# Altium PCB DriverPCB.PcbDoc (part 1 of 2)
Units mm, origin at the board's own origin, x right, y up, seen from the top; angles counter-clockwise.
Board outline 63 x 108 mm, 4 copper layers (Top Layer, Layer 2, Layer 3, Bottom Layer), stack 1.369 mm thick; 182 components, 114 nets, 540 pads, 159 vias.
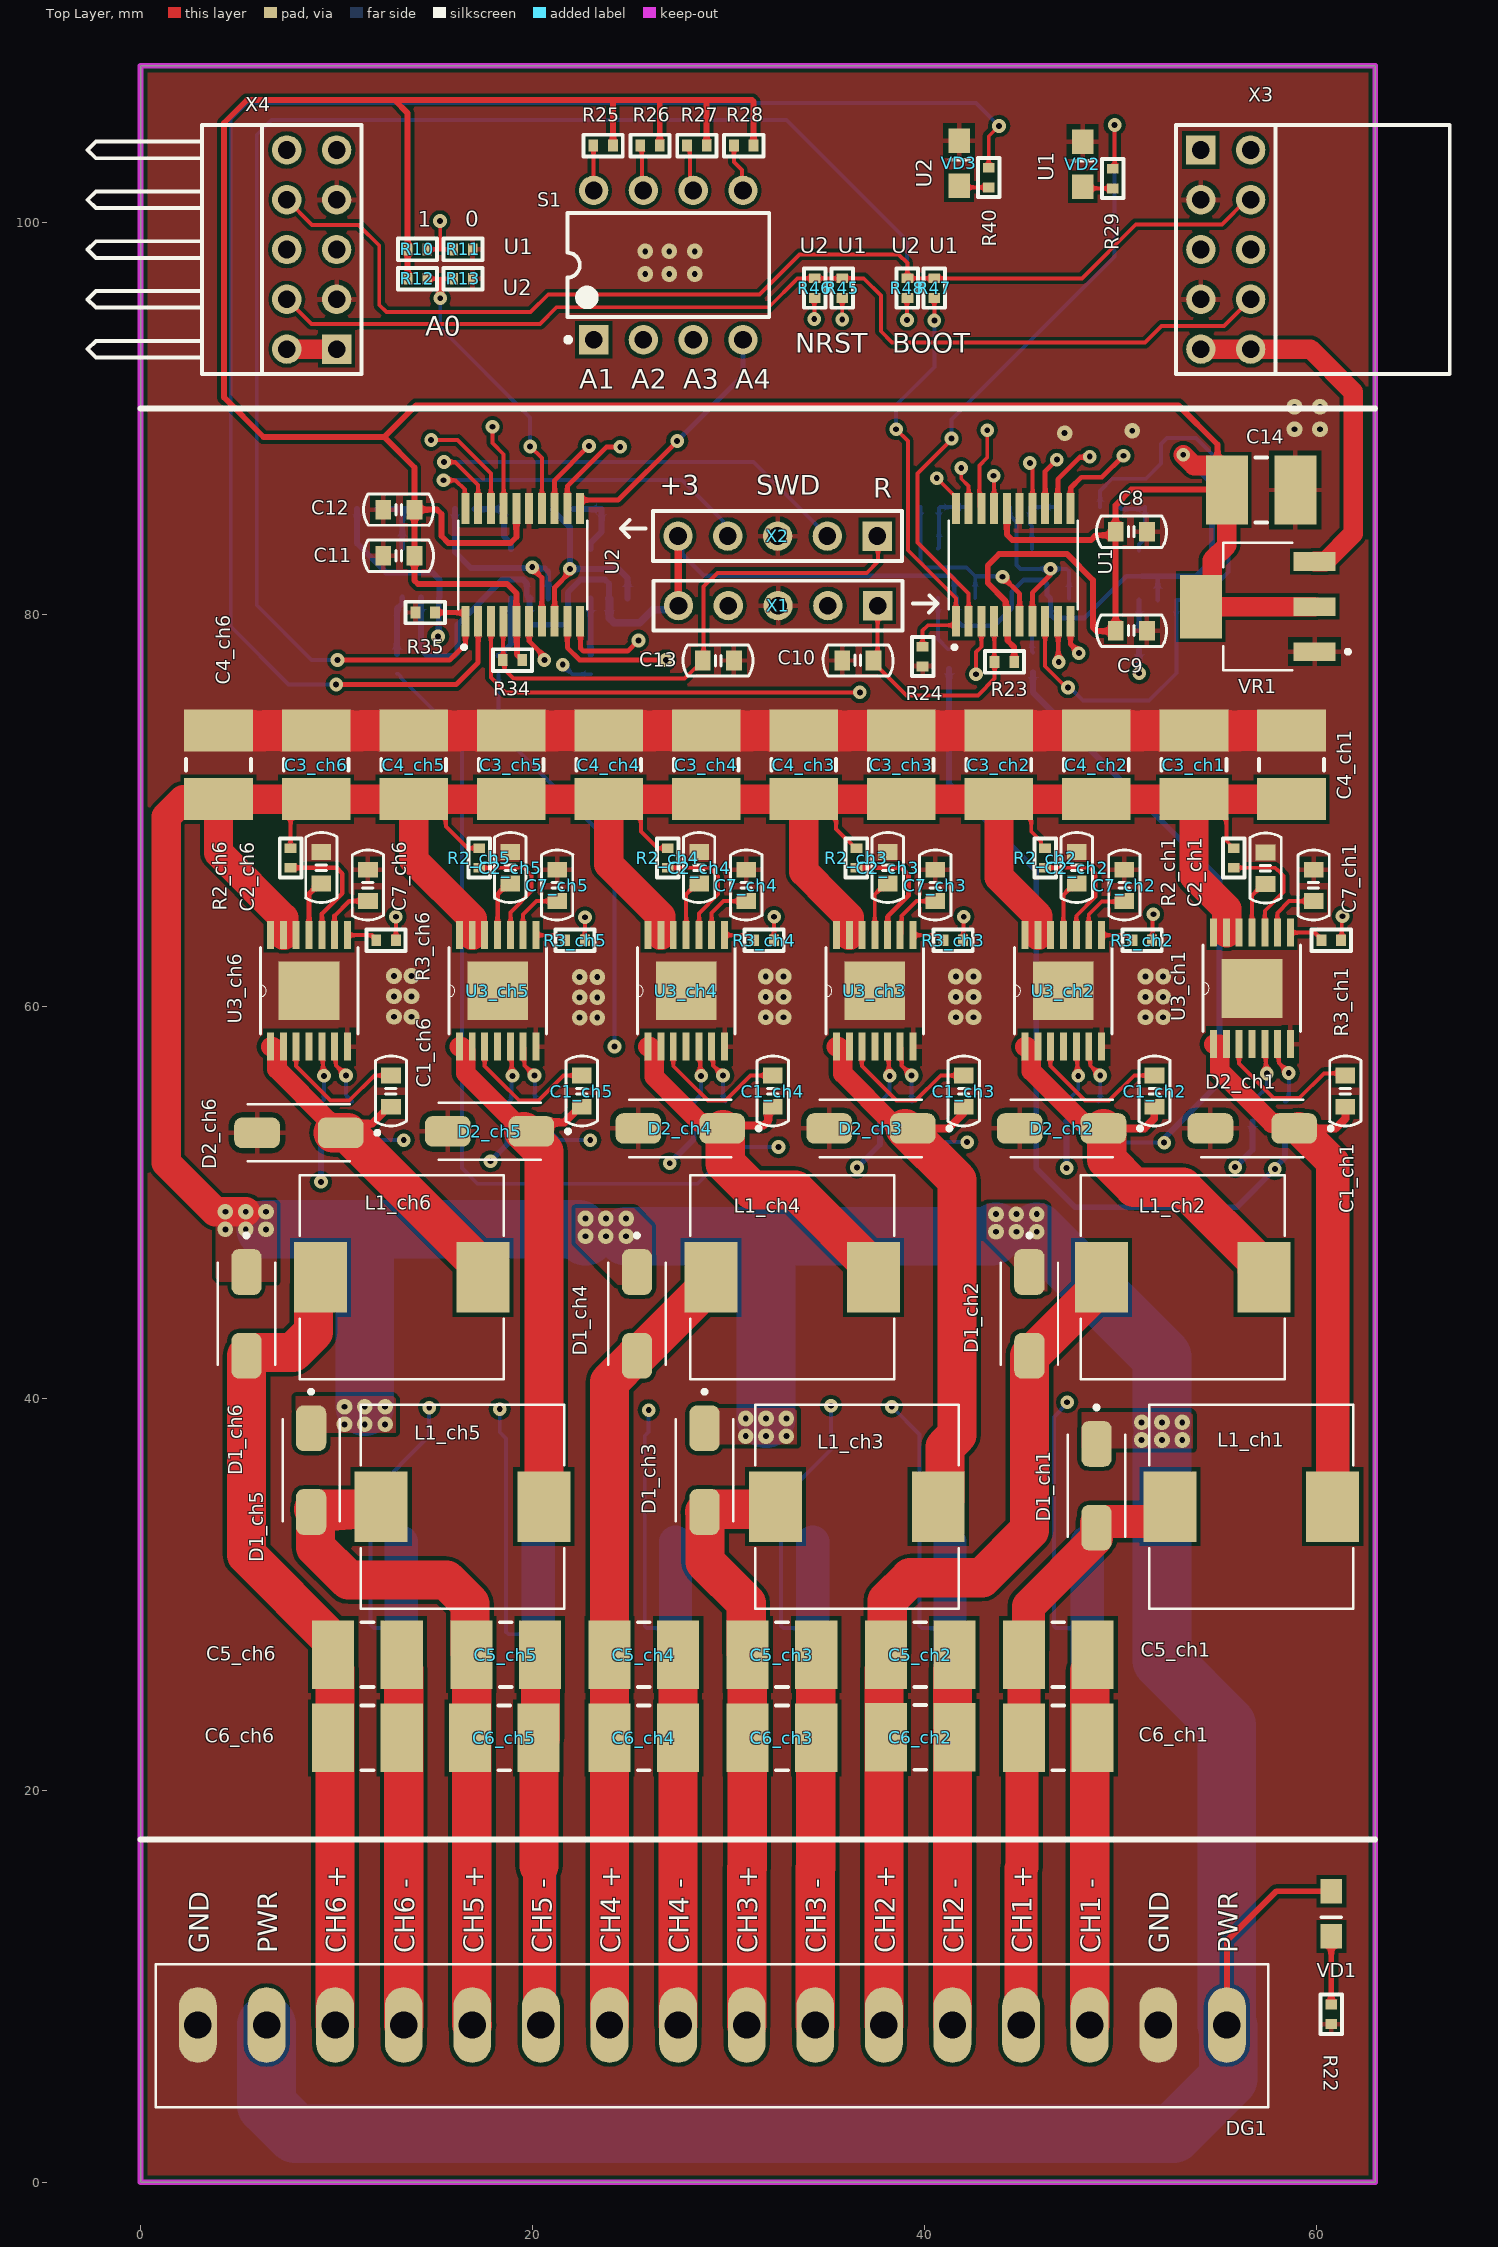
[diagram p0: Top Layer view]
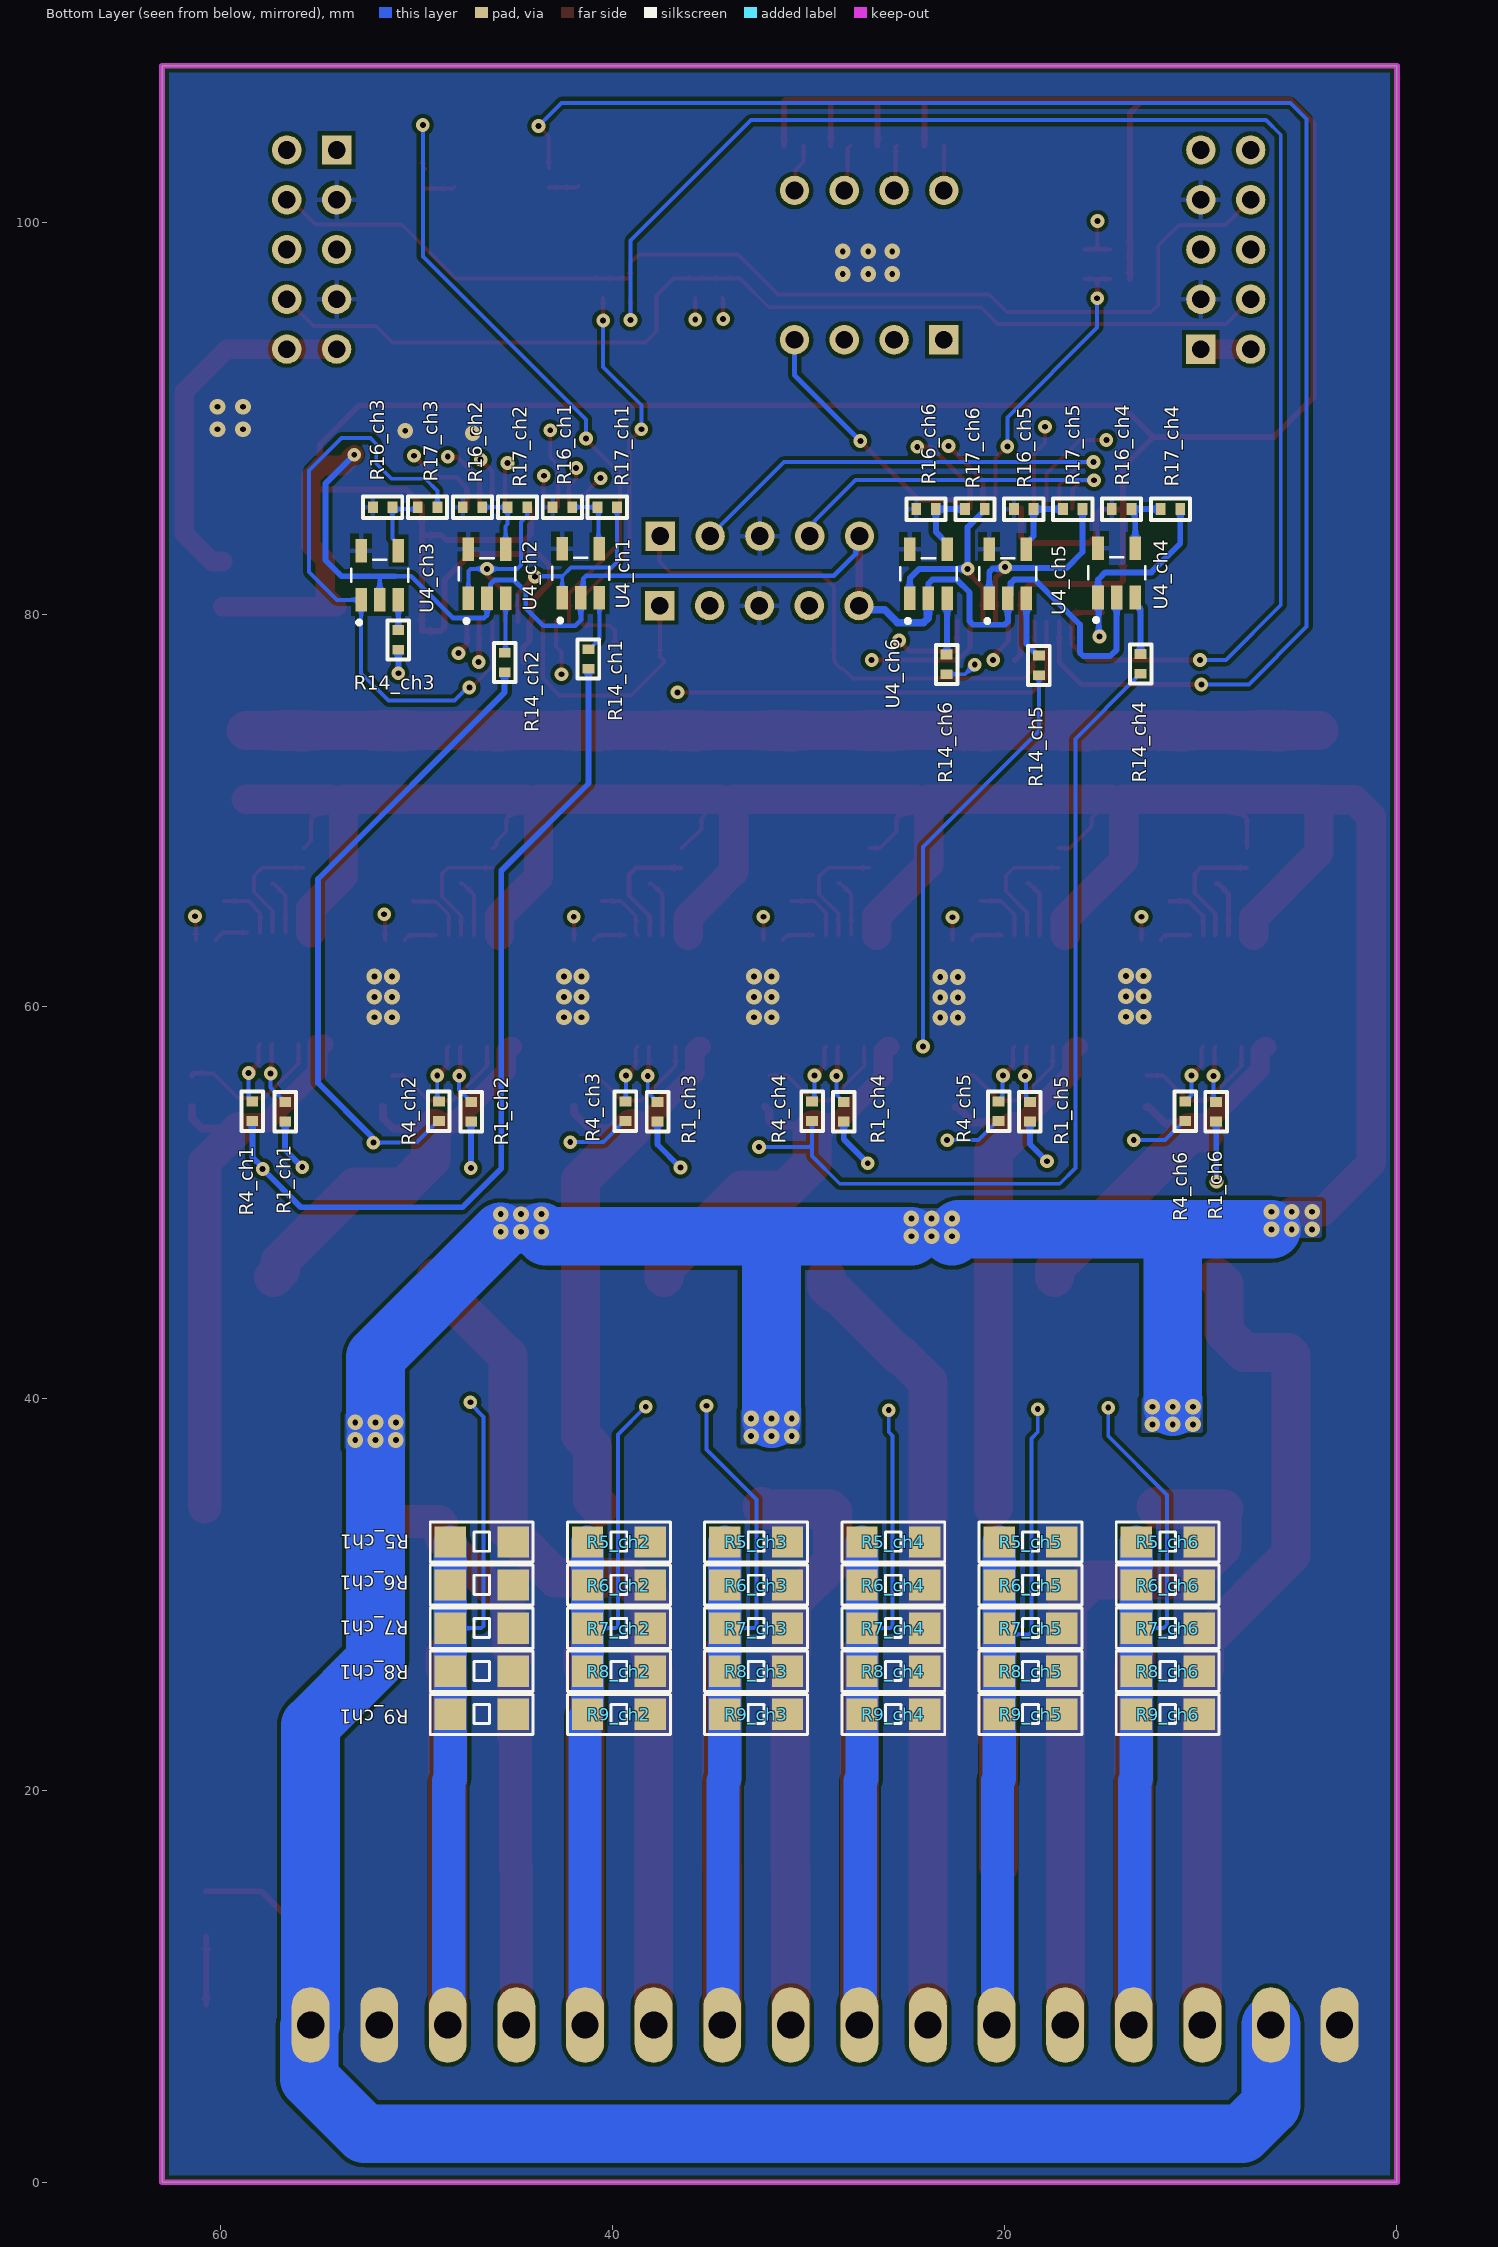
[diagram p1: Bottom Layer view, seen from below]
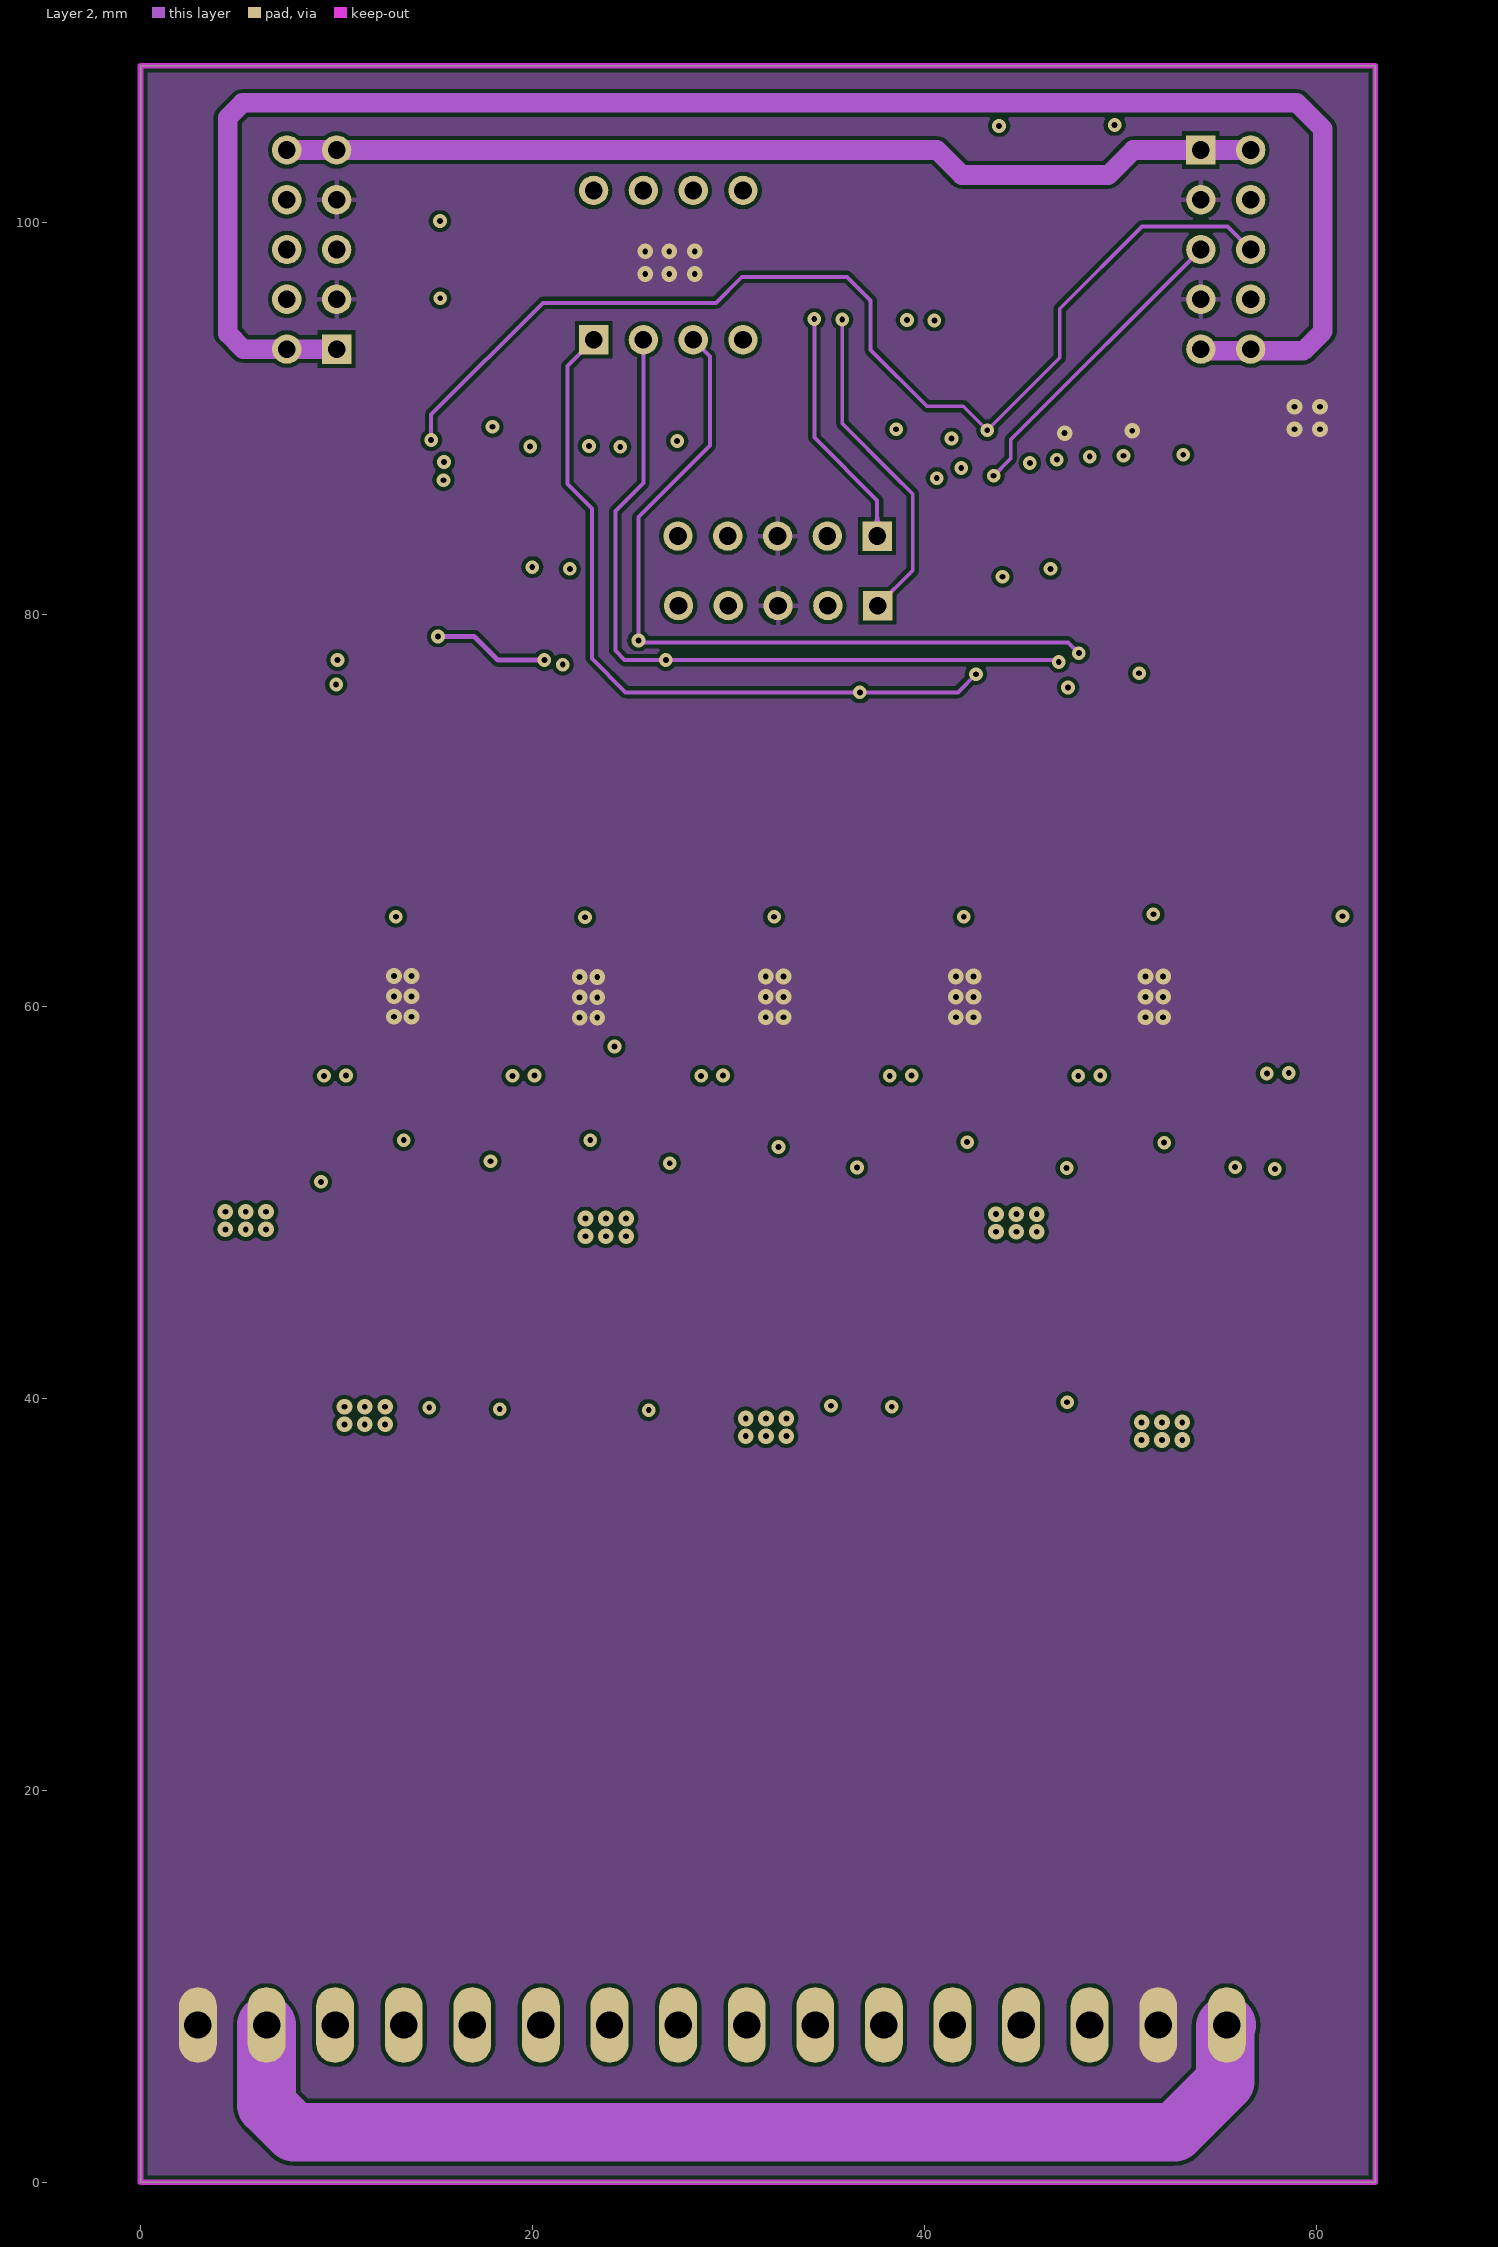
[diagram p2: Layer 2]
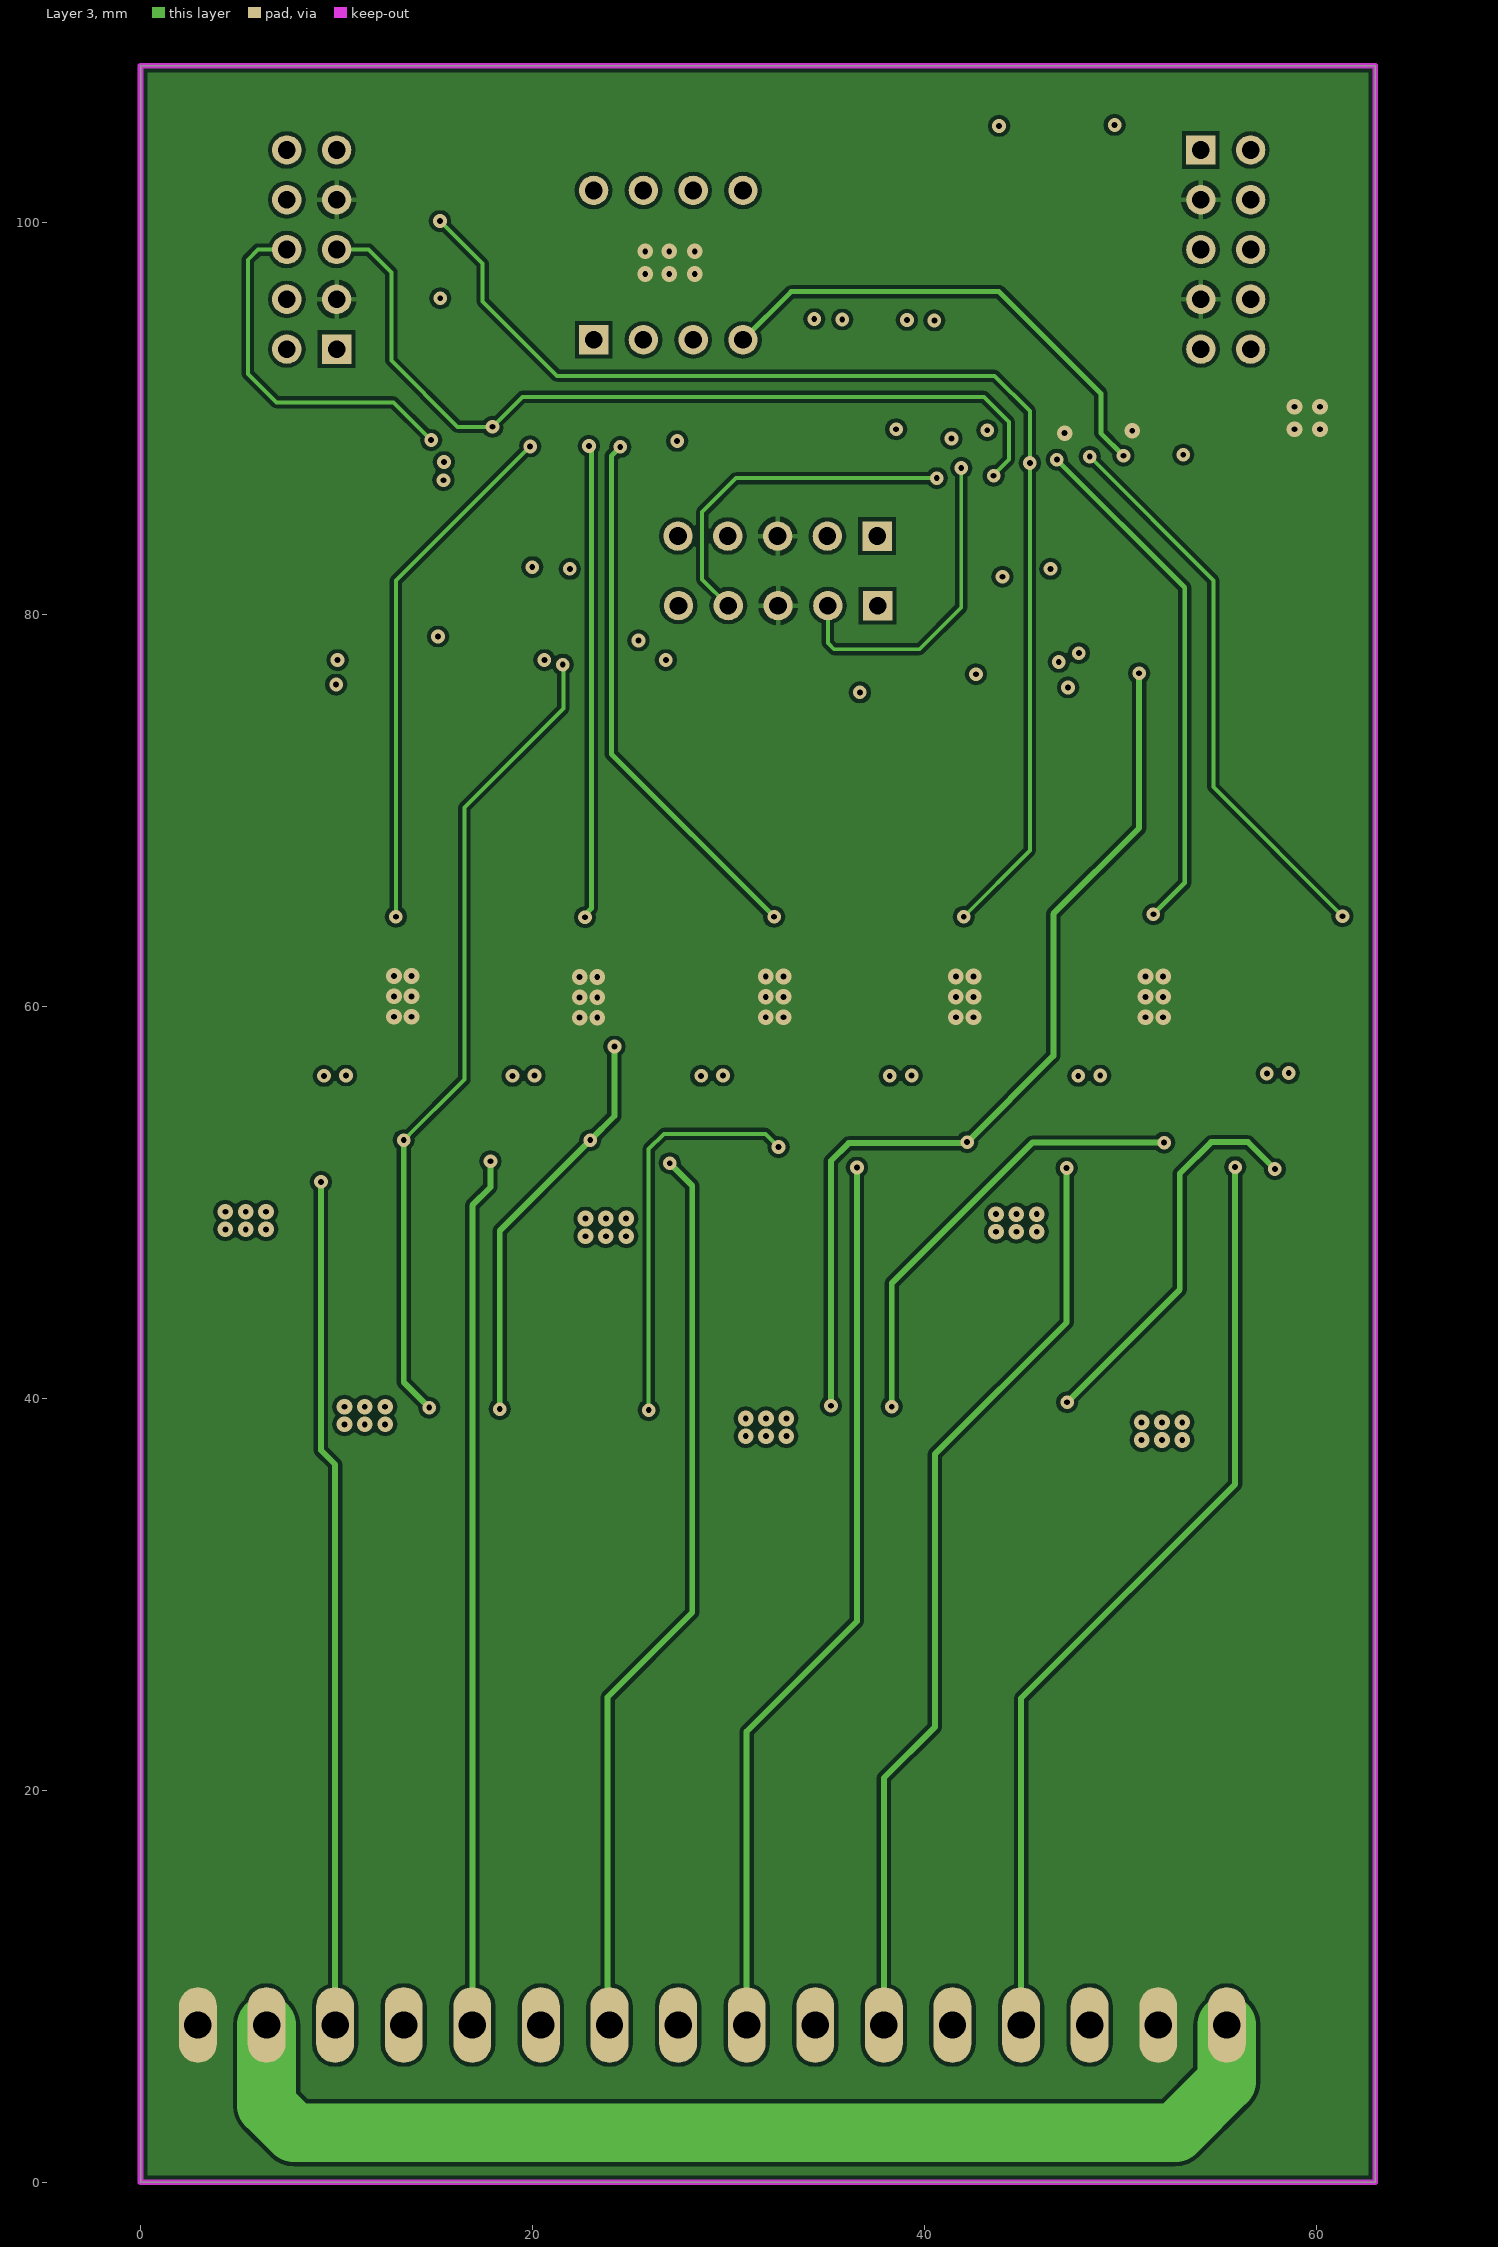
[diagram p3: Layer 3]

## Layer stack, top to bottom
Top Solder: solder mask 0.0254, SM-001, Dk 4
Top Layer: signal copper 0.035
Dielectric 1: prepreg 0.1295, PP-017, Dk 4.3
Dielectric 2: prepreg 0.1295, PP-017, Dk 4.3
Layer 2: signal copper 0.035
Dielectric 3: core 0.7112, Core-039, Dk 4.8
Layer 3: signal copper 0.035
Dielectric 4: prepreg 0.1295, PP-017, Dk 4.3
Dielectric 5: prepreg 0.1295, PP-017, Dk 4.3
Bottom Layer: signal copper 0.035
Bottom Solder: solder mask 0.0254, SM-001, Dk 4

## Board outline
0,0 0,108 63,108 63,0

## Design rules (kind name [scope] priority, off if disabled: settings)
Clearance [All] p1: gap=0.2 ignorepadtopadclearanceinfootprint=FALSE
DiffPairsRouting [All] p1: maxlimit=0.254 minlimit=0.2 mostfreqgap=0.254 toplayer_minwidth=0.25 toplayer_maxwidth=0.381 toplayer_prefwidth=0.381 midlayer1_minwidth=0.25 midlayer1_maxwidth=0.381 midlayer1_prefwidth=0.381 midlayer2_minwidth=0.25 midlayer2_maxwidth=0.381 midlayer2_prefwidth=0.381 bottomlayer_minwidth=0.25 bottomlayer_maxwidth=0.381 bottomlayer_prefwidth=0.381 maxuncoupledlength=12.7
HoleSize [All] p1: absolutevalues=TRUE maxlimit=5 minlimit=0.3 maxpercent=80.000 minpercent=20.000
MinimumSolderMaskSliver [All] p1: minsoldermaskwidth=0
PolygonConnect [All] p1: connectstyle=Relief reliefconductorwidth=0.254 reliefentries=4 polygonreliefangle="90 Angle" airgapwidth=0.254
RoutingVias [All] p1: holewidth=0.3 width=4 viastyle="Through Hole" minholewidth=0.3 minwidth=0 maxholewidth=1 maxwidth=4
SilkToSolderMaskClearance [IsPad] p1: minsilkscreentomaskgap=0.1 clearancetoexposedcopper=TRUE
SolderMaskExpansion [All] p1: expansion=0.102 istentingtop=FALSE
UnRoutedNet [All] p1: checkbadconnections=TRUE
Width [All] p1: maxlimit=4 minlimit=0.15 preferedwidth=0.254
25 further rules are at their usual default settings.

## Classes and differential pairs
channel class chanel: ch1 ch2 ch3 ch4 ch5 ch6
component class ch6: C1_ch6 C1_U_chanel1_U_chanel6 C2_ch6 C2_U_chanel1_U_chanel6 C3_ch6 C4_ch6 C5_ch6 C6_ch6 C7_ch6 C8_U_chanel1_U_chanel6 D1_ch6 D1_U_chanel1_U_chanel6 D2_ch6 D2_U_chanel1_U_chanel6 L1_ch6 L1_U_chanel1_U_chanel6 R1_ch6 R1_U_chanel1_U_chanel6 R2_ch6 R2_U_chanel1_U_chanel6 R3_ch6 R3_U_chanel1_U_chanel6 R4_ch6 R5_ch6 R5_U_chanel1_U_chanel6 R6_ch6 R6_U_chanel1_U_chanel6 R7_ch6 R7_U_chanel1_U_chanel6 R8_ch6 R8_U_chanel1_U_chanel6 R9_ch6 R9_U_chanel1_U_chanel6 R11_U_chanel1_U_chanel6 R12_U_chanel1_U_chanel6 R13_U_chanel1_U_chanel6 R14_ch6 R16_ch6 R17_ch6 U1_U_chanel1_U_chanel6 U2_U_chanel1_U_chanel6 U3_ch6 U4_ch6
component class ch5: C1_ch5 C1_U_chanel1_U_chanel5 C2_ch5 C2_U_chanel1_U_chanel5 C3_ch5 C4_ch5 C5_ch5 C6_ch5 C7_ch5 C8_U_chanel1_U_chanel5 D1_ch5 D1_U_chanel1_U_chanel5 D2_ch5 D2_U_chanel1_U_chanel5 L1_ch5 L1_U_chanel1_U_chanel5 R1_ch5 R1_U_chanel1_U_chanel5 R2_ch5 R2_U_chanel1_U_chanel5 R3_ch5 R3_U_chanel1_U_chanel5 R4_ch5 R5_ch5 R5_U_chanel1_U_chanel5 R6_ch5 R6_U_chanel1_U_chanel5 R7_ch5 R7_U_chanel1_U_chanel5 R8_ch5 R8_U_chanel1_U_chanel5 R9_ch5 R9_U_chanel1_U_chanel5 R11_U_chanel1_U_chanel5 R12_U_chanel1_U_chanel5 R13_U_chanel1_U_chanel5 R14_ch5 R16_ch5 R17_ch5 U1_U_chanel1_U_chanel5 U2_U_chanel1_U_chanel5 U3_ch5 U4_ch5
component class ch4: C1_ch4 C1_U_chanel1_U_chanel4 C2_ch4 C2_U_chanel1_U_chanel4 C3_ch4 C4_ch4 C5_ch4 C6_ch4 C7_ch4 C8_U_chanel1_U_chanel4 D1_ch4 D1_U_chanel1_U_chanel4 D2_ch4 D2_U_chanel1_U_chanel4 L1_ch4 L1_U_chanel1_U_chanel4 R1_ch4 R1_U_chanel1_U_chanel4 R2_ch4 R2_U_chanel1_U_chanel4 R3_ch4 R3_U_chanel1_U_chanel4 R4_ch4 R5_ch4 R5_U_chanel1_U_chanel4 R6_ch4 R6_U_chanel1_U_chanel4 R7_ch4 R7_U_chanel1_U_chanel4 R8_ch4 R8_U_chanel1_U_chanel4 R9_ch4 R9_U_chanel1_U_chanel4 R11_U_chanel1_U_chanel4 R12_U_chanel1_U_chanel4 R13_U_chanel1_U_chanel4 R14_ch4 R16_ch4 R17_ch4 U1_U_chanel1_U_chanel4 U2_U_chanel1_U_chanel4 U3_ch4 U4_ch4
component class ch3: C1_ch3 C1_U_chanel1_U_chanel3 C2_ch3 C2_U_chanel1_U_chanel3 C3_ch3 C4_ch3 C5_ch3 C6_ch3 C7_ch3 C8_U_chanel1_U_chanel3 D1_ch3 D1_U_chanel1_U_chanel3 D2_ch3 D2_U_chanel1_U_chanel3 L1_ch3 L1_U_chanel1_U_chanel3 R1_ch3 R1_U_chanel1_U_chanel3 R2_ch3 R2_U_chanel1_U_chanel3 R3_ch3 R3_U_chanel1_U_chanel3 R4_ch3 R5_ch3 R5_U_chanel1_U_chanel3 R6_ch3 R6_U_chanel1_U_chanel3 R7_ch3 R7_U_chanel1_U_chanel3 R8_ch3 R8_U_chanel1_U_chanel3 R9_ch3 R9_U_chanel1_U_chanel3 R11_U_chanel1_U_chanel3 R12_U_chanel1_U_chanel3 R13_U_chanel1_U_chanel3 R14_ch3 R16_ch3 R17_ch3 U1_U_chanel1_U_chanel3 U2_U_chanel1_U_chanel3 U3_ch3 U4_ch3
component class ch2: C1_ch2 C1_U_chanel1_U_chanel2 C2_ch2 C2_U_chanel1_U_chanel2 C3_ch2 C4_ch2 C5_ch2 C6_ch2 C7_ch2 C8_U_chanel1_U_chanel2 D1_ch2 D1_U_chanel1_U_chanel2 D2_ch2 D2_U_chanel1_U_chanel2 L1_ch2 L1_U_chanel1_U_chanel2 R1_ch2 R1_U_chanel1_U_chanel2 R2_ch2 R2_U_chanel1_U_chanel2 R3_ch2 R3_U_chanel1_U_chanel2 R4_ch2 R5_ch2 R5_U_chanel1_U_chanel2 R6_ch2 R6_U_chanel1_U_chanel2 R7_ch2 R7_U_chanel1_U_chanel2 R8_ch2 R8_U_chanel1_U_chanel2 R9_ch2 R9_U_chanel1_U_chanel2 R11_U_chanel1_U_chanel2 R12_U_chanel1_U_chanel2 R13_U_chanel1_U_chanel2 R14_ch2 R16_ch2 R17_ch2 U1_U_chanel1_U_chanel2 U2_U_chanel1_U_chanel2 U3_ch2 U4_ch2